# Allegro board HB1A-AAFM.brd (continued)
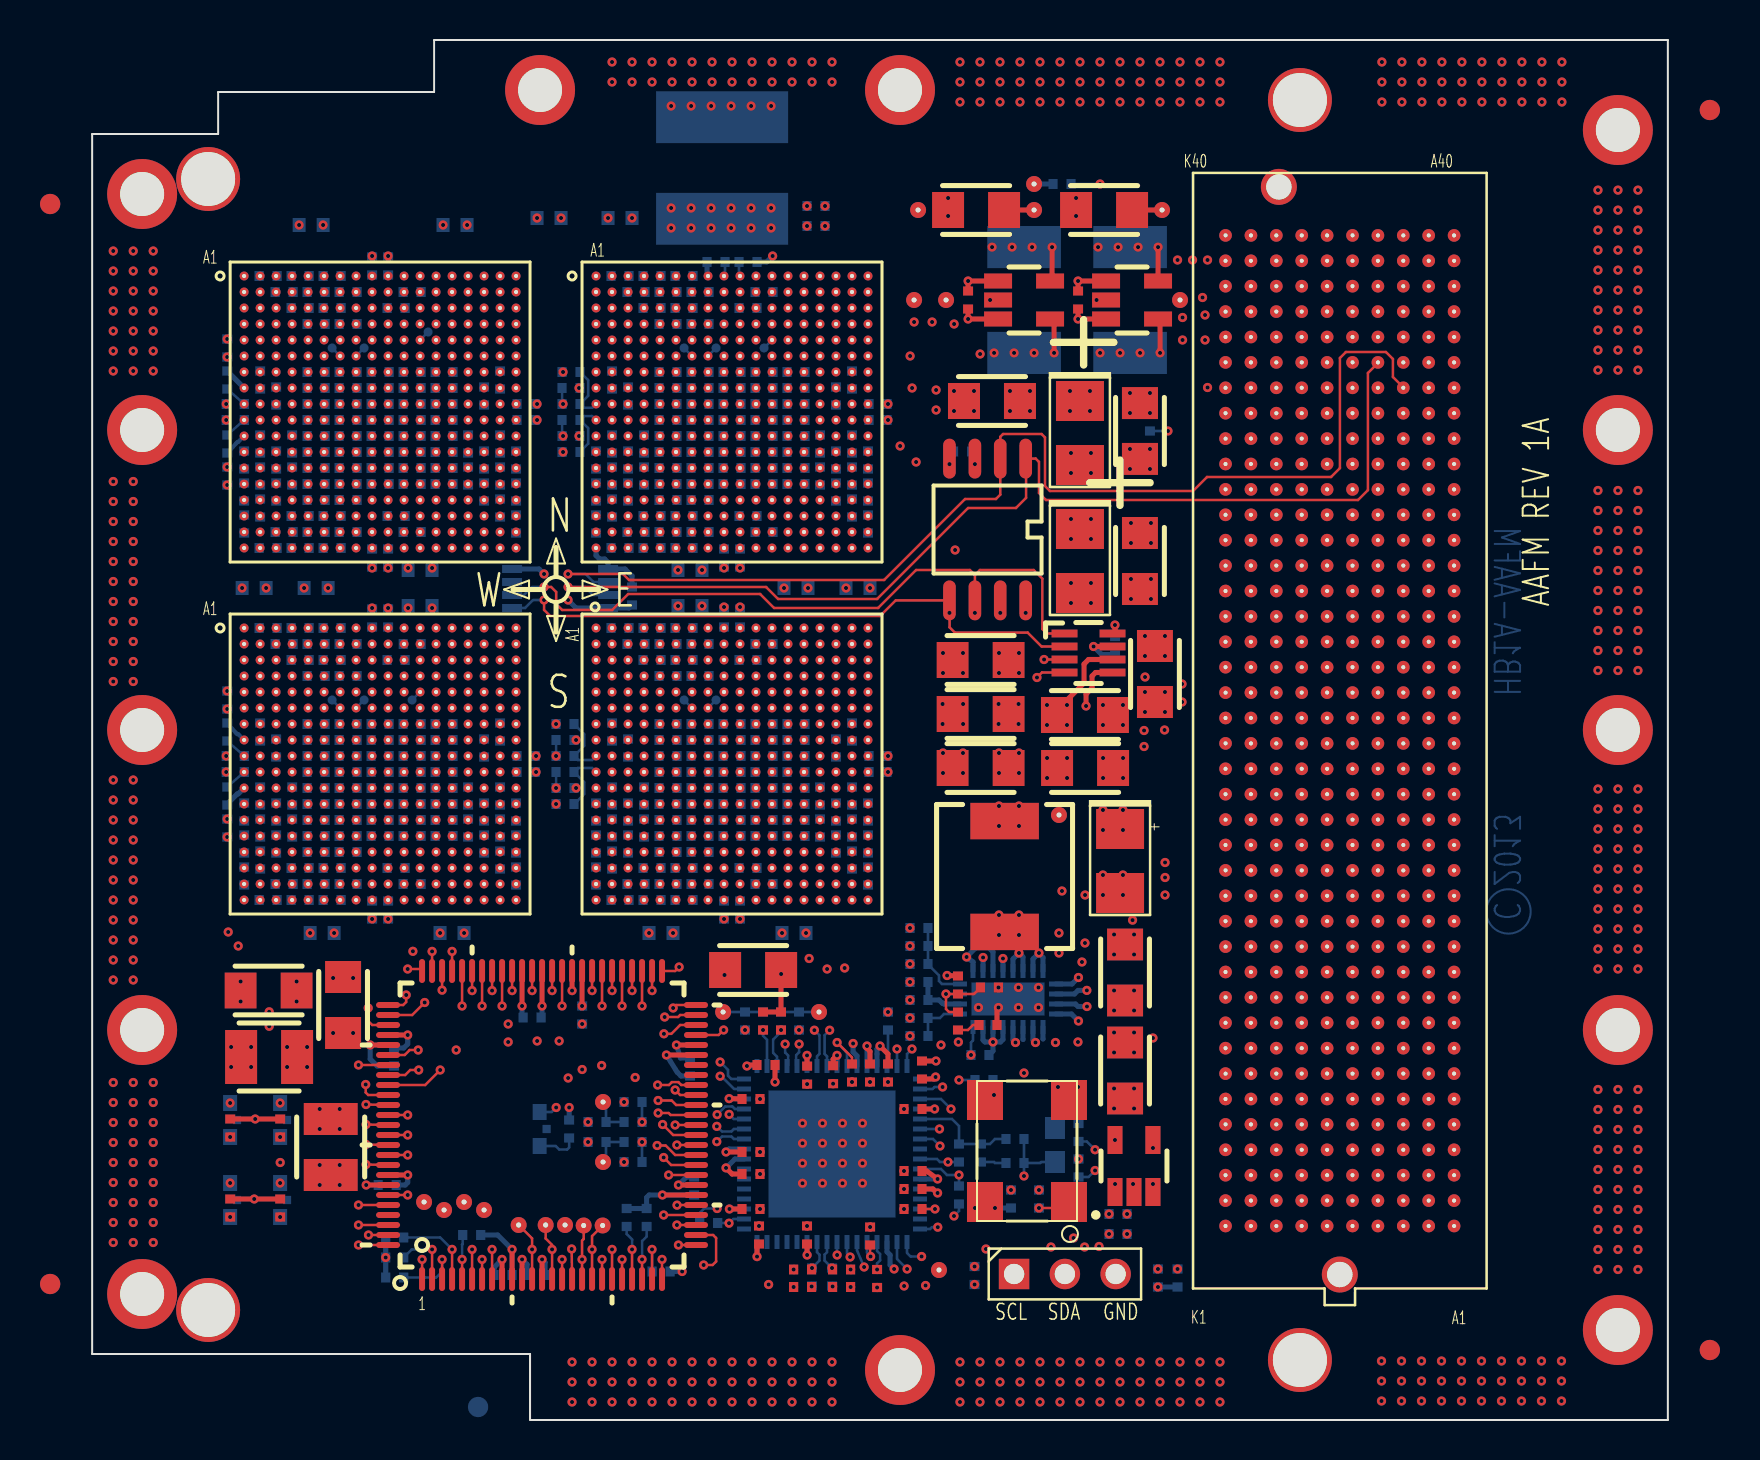
[diagram p0: board, top side]
## Routing (per net, layer and track width the routed paths; a pad name or vN(x,y) marks a point on that pad's centre or on a via; arc(x,y) is an arc through that point) (continued)
UR_SCLKI_XID1: length 61
  TOP w0.127: U9.66 v1(21,21.47)
  SIGNAL_L4-Y w0.114: v1(40.41,48.7) 40.41,47.1 41.11,46.4 41.11,26.9 39.5,25.3 39.3,25.1 37.5,25.1 36,23.6 35.1,23.6 34.3,22.8 30.68,22.8 29.88,22 26.78,22 26.48,21.7 26.48,21.27 26,20.8 26,20.48 25.78,20.25 21.3,20.25 21,20.55 v1(21,21.47)
  SIGNAL_L8-X w0.089: U4.E8 30.8,54 31.2,53.6 31.2,51.4 31.4,51.2 31.8,51.2 32,51 32,50.6 32.2,50.4 32.6,50.4 32.8,50.2 32.8,49.8 33,49.6 39.5,49.6 v1(40.41,48.7)
UR_SCLKO_YID1: length 72.5
  TOP w0.127: U9.70 v1(19,21.47)
  SIGNAL_L4-Y w0.114: v1(42,54.9) 41.7,54.6 41.7,49.4 41.91,49.2 41.91,47.2 42.17,46.93 42.17,39.83 42.94,39.06 42.94,32.1 43.22,31.81 43.22,31.4 42.62,30.8 42.62,26 41.7,25.08 41.7,22.6 41.41,22.3 40.6,22.3 39.3,21 31.23,21 30.98,20.75 30.98,19.73 29.03,17.77 28.5,17.77 27.63,18.65 24.2,18.65 23.7,18.15 19.85,18.15 19,19 v1(19,21.47)
  SIGNAL_L12-X w0.089: v1(42,54.9) 41.5,54.4 33.6,54.4 33.2,54 U4.E11
UR_SDI_XID2: length 62.2
  TOP w0.127: U9.67 v1(20.5,20.7)
  SIGNAL_L4-Y w0.114: v1(20.5,20.7) 21.5,19.7 23.66,19.7 23.95,19.4 26.83,19.4 28.98,21.55 30.35,21.55 30.66,21.86 38.66,21.86 39.5,22.7 39.5,24.9 39.7,25.1 41.39,26.78 41.39,46.51 40.8,47.1 40.8,49.49 40.83,49.51 40.83,51.42 v1(41,51.6)
  SIGNAL_L5-X w0.114: U4.F10 32.41,53.2 32.8,52.8 35.8,52.8 36,52.6 36,52.2 36.2,52 40.6,52 v1(41,51.6)
UR_SDO_YID2: length 73.3
  TOP w0.127: U9.71 v1(18.5,20.7)
  SIGNAL_L4-Y w0.114: v1(42.2,50.5) 42.39,50.31 42.39,39.94 43.16,39.18 43.16,32.19 43.48,31.86 43.48,31.29 42.88,30.69 42.88,25.89 42,25.01 42,22.1 41.35,21.45 40.16,21.45 38.6,19.9 34.2,19.9 34,19.7 34,19.2 33.81,19.01 30.81,19.01 29.23,17.43 28.35,17.43 27.38,18.4 24.35,18.4 23.83,17.88 19.5,17.88 18.5,18.88 v1(18.5,20.7)
  SIGNAL_L8-X w0.089: v1(42.2,50.5) 41.6,50.5 41.5,50.4 33.8,50.4 33.6,50.6 33.6,51 33.41,51.2 33,51.2 32.8,51.4 32.8,51.8 32.6,52 32.2,52 32,52.2 32,53.6 31.6,54 U4.E9
UR_TXI_EA_RD_WAIT_N: length 72.8
  SIGNAL_L15-X w0.114: P1.C15 64.91,28.14 64.91,51.99 64.66,52.25 56.25,52.25 55.66,52.85 51.24,52.85 51.12,52.73 51.12,49.82 51,49.7 50.76,49.7 50.64,49.82 50.64,52.73 50.52,52.85 48.3,52.85 48.18,52.73 48.18,49.57 48.06,49.45 47.82,49.45 47.7,49.57 47.7,52.73 47.58,52.85 45.32,52.85 45.2,52.73 45.2,49.55 45.08,49.42 44.84,49.42 44.72,49.55 44.72,52.73 44.6,52.85 42.43,52.85 41.59,52.02 40.16,52.02 40.04,51.9 40.04,51.42 39.92,51.3 39.68,51.3 39.56,51.42 39.56,51.9 39.44,52.02 38.38,52.02 U4.G17
UR_TXI_EA_RD_WAIT_P: length 72.8
  SIGNAL_L15-X w0.114: P1.C14 66.28,26.92 66.28,53.25 66.03,53.5 55.53,53.5 55.03,54 55.03,56.25 54.78,56.5 51.51,56.5 51.39,56.62 51.39,57.38 51.27,57.5 51.03,57.5 50.91,57.38 50.91,56.62 50.79,56.5 47.73,56.5 47.61,56.38 47.61,54.32 47.49,54.2 47.25,54.2 47.13,54.32 47.13,56.38 47.01,56.5 46.77,56.5 46.65,56.38 46.65,54.32 46.53,54.2 46.29,54.2 46.17,54.32 46.17,56.38 46.05,56.5 44.66,56.5 44.33,56.17 44.33,54.42 43.8,53.9 42.53,53.9 41.41,52.78 37.84,52.78 37.61,52.56 37.61,51.98 U4.H17
UR_TXI_EA_WR_WAIT_N: length 73.1
  SIGNAL_L12-X w0.089: U4.H16 37.2,51.58 37.61,51.17 39.15,51.17 39.25,51.27 40.6,51.27 40.85,51.02 44.6,51.02 44.91,50.73 44.91,48.83 45.55,48.17 46.18,48.17 46.35,48.35 46.35,49.28 46.27,49.37 45.62,49.37 45.53,49.46 45.53,49.64 45.62,49.73 46.27,49.73 46.35,49.82 46.35,50.85 46.53,51.02 47.28,51.02 47.43,50.88 47.43,49.83 47.34,49.74 46.89,49.74 46.8,49.65 46.8,49.47 46.89,49.38 47.34,49.38 47.43,49.3 47.43,48.35 47.6,48.17 48.23,48.17 48.35,48.3 48.35,50.83 48.55,51.02 49.25,51.02 49.41,50.88 49.41,48.95 49.55,48.8 50.28,48.8 50.41,48.92 50.41,49.44 50.49,49.53 52.32,49.53 52.41,49.62 52.41,49.8 52.32,49.89 50.49,49.89 50.41,49.98 50.41,50.73 50.6,50.92 53.55,50.92 53.64,51.01 53.64,51.89 53.73,51.98 53.91,51.98 53.99,51.89 53.99,51.01 54.08,50.92 55.25,50.92 56.43,49.75 63.28,49.75 63.66,49.38 63.66,30.88 63.41,30.62 59.82,30.62 P1.H17
UR_TXI_EA_WR_WAIT_P: length 72.9
  SIGNAL_L12-X w0.089: P1.H16 58.66,29.32 58.66,31.62 58.91,31.88 62.03,31.88 62.41,32.25 62.41,46.92 62.1,47.23 56.48,47.23 55.63,48.08 54.95,48.08 54.86,47.99 54.86,46.91 54.77,46.83 54.59,46.83 54.5,46.91 54.5,47.99 54.41,48.08 54.05,48.08 53.97,47.99 53.97,45.74 53.88,45.65 53.7,45.65 53.61,45.74 53.61,47.99 53.52,48.08 50.91,48.08 50.7,47.88 48.54,47.88 48.45,47.79 48.45,45.89 48.36,45.8 48.18,45.8 48.09,45.89 48.09,47.79 48,47.88 47.75,47.88 47.66,47.79 47.66,45.01 47.57,44.92 47.39,44.92 47.3,45.01 47.3,47.79 47.21,47.88 47.02,47.88 46.93,47.79 46.93,45.89 46.84,45.8 46.66,45.8 46.58,45.89 46.58,47.79 46.49,47.88 46.26,47.88 46.17,47.79 46.17,46.49 46.08,46.4 45.9,46.4 45.81,46.49 45.81,47.79 45.72,47.88 45.45,47.88 44.45,48.88 44.33,48.88 44.05,48.6 43.92,48.6 43.8,48.73 43.8,48.86 44.07,49.13 44.07,49.26 43.3,50.02 41.73,50.02 41.38,50.38 37.62,50.38 U4.J16
UR_TXO_EA_DATA_N_0: length 73
  SIGNAL_L8-X w0.089: U4.G15 36.8,52 43.25,52 43.58,51.67 43.58,47.6 43.8,47.38 47.98,47.38 48.48,46.88 49.4,46.88 49.49,46.79 49.49,46.36 49.58,46.27 49.76,46.27 49.85,46.36 49.85,46.79 49.94,46.88 50.11,46.88 50.2,46.79 50.2,46.36 50.29,46.27 50.47,46.27 50.56,46.36 50.56,46.79 50.65,46.88 50.83,46.88 50.92,46.79 50.92,46.36 51,46.27 51.18,46.27 51.27,46.36 51.27,46.79 51.36,46.88 53.73,46.88 55.91,49.05 55.91,49.35 56.18,49.62 67.16,49.62 67.3,49.48 67.3,25.88 67.05,25.62 64.03,25.62 63.78,25.38 63.78,20.38 P1.D9
UR_TXO_EA_DATA_N_1: length 72.9
  SIGNAL_L8-X w0.089: U4.F16 37.2,53.2 37.63,52.77 39.26,52.77 39.66,52.38 44.05,52.38 44.66,51.77 44.66,48.33 45.1,47.88 45.85,47.88 45.94,47.96 45.94,49.44 46.03,49.52 46.21,49.52 46.3,49.44 46.3,47.96 46.39,47.88 46.56,47.88 46.65,47.96 46.65,49.44 46.74,49.52 46.92,49.52 47.01,49.44 47.01,47.96 47.1,47.88 47.28,47.88 47.37,47.96 47.37,49.44 47.45,49.52 47.63,49.52 47.72,49.44 47.72,47.96 47.81,47.88 47.99,47.88 48.08,47.96 48.08,49.44 48.17,49.52 48.34,49.52 48.43,49.44 48.43,47.96 48.52,47.88 51.2,47.88 51.35,48.02 53.98,48.02 55.78,49.83 v1(55.78,51.62)
  SIGNAL_L14-Y w0.114: P1.H8 58.53,19.28 58.53,21.25 58.03,21.75 57.53,21.75 57.28,22 57.28,50.75 57.03,51 56.41,51 v1(55.78,51.62)
UR_TXO_EA_DATA_N_2: length 72.8
  SIGNAL_L7-Y w0.089: U4.E17 38.38,53.62 39.5,53.62 39.88,54 39.88,54.76 39.97,54.84 40.44,54.84 40.53,54.93 40.53,55.11 40.44,55.2 39.97,55.2 39.88,55.29 39.88,55.47 39.97,55.56 40.44,55.56 40.53,55.65 40.53,55.82 40.44,55.91 39.97,55.91 39.88,56 39.88,56.18 39.97,56.27 40.44,56.27 40.53,56.36 40.53,56.53 40.44,56.62 39.97,56.62 39.88,56.71 39.88,57.08 40.08,57.27 41.05,57.27 41.14,57.19 41.14,56.61 41.23,56.52 41.41,56.52 41.5,56.61 41.5,57.19 41.59,57.27 41.77,57.27 41.85,57.19 41.85,56.61 41.94,56.52 42.12,56.52 42.21,56.61 42.21,57.19 42.3,57.27 42.48,57.27 42.57,57.19 42.57,56.61 42.66,56.52 42.83,56.52 42.92,56.61 42.92,57.19 43.01,57.27 43.41,57.27 43.75,57.62 49.58,57.62 49.83,57.38 54.41,57.38 v1(55.03,58)
  SIGNAL_L14-Y w0.114: v1(55.03,58) 55.86,57.17 61.96,57.17 62.24,56.89 62.24,21.96 62.03,21.75 61.11,21.75 P1.G10
UR_TXO_EA_DATA_N_3: length 73.2
  SIGNAL_L5-X w0.114: U4.D18 39.8,54.8 40.25,55.25 40.25,56.45 40.55,56.75 43.38,56.75 43.73,56.4 45.64,56.4 45.76,56.28 45.76,54.05 45.88,53.92 46.12,53.92 46.24,54.05 46.24,56.28 46.36,56.4 46.6,56.4 46.72,56.28 46.72,54.05 46.84,53.92 47.08,53.92 47.2,54.05 47.2,56.28 47.32,56.4 47.56,56.4 47.68,56.28 47.68,54.05 47.8,53.92 48.04,53.92 48.16,54.05 48.16,56.28 48.28,56.4 50.05,56.4 50.17,56.52 50.17,57.48 50.29,57.6 50.53,57.6 50.65,57.48 50.65,56.52 50.77,56.4 51.01,56.4 51.13,56.52 51.13,57.48 51.25,57.6 51.49,57.6 51.61,57.48 51.61,56.52 51.73,56.4 52.7,56.4 52.95,56.15 52.95,54.59 53.16,54.39 55.27,54.39 v1(55.66,54)
  SIGNAL_L14-Y w0.114: v1(55.66,54) 56.03,53.62 58.53,53.62 58.74,53.41 58.74,22.88 P1.H11
UR_TXO_EA_DATA_N_4: length 72.9
  SIGNAL_L8-X w0.089: P1.D12 64.88,24.25 67.28,24.25 67.65,24.62 67.65,51.75 67.15,52.25 55.53,52.25 55.28,52 55.28,49.9 54.38,49 51.71,49 51.63,49.09 51.63,49.84 51.54,49.92 51.36,49.92 51.27,49.84 51.27,49.09 51.18,49 51,49 50.91,49.09 50.91,49.84 50.83,49.92 50.65,49.92 50.56,49.84 50.56,49.09 50.47,49 50.29,49 50.2,49.09 50.2,49.84 50.11,49.92 49.94,49.92 49.85,49.84 49.85,49.09 49.76,49 49.35,49 48.55,49.8 45.33,49.8 44.98,50.15 44.98,51.92 44.16,52.75 40.28,52.75 39.41,53.62 36.78,53.62 36.41,54 U4.E15
UR_TXO_EA_DATA_N_5: length 72.8
  SIGNAL_L5-X w0.114: P1.C11 65,22.97 65,54.41 64.67,54.73 53.78,54.73 53.41,55.11 53.41,57.77 52.98,58.2 51.89,58.2 51.77,58.08 51.77,57.99 51.65,57.88 51.41,57.88 51.29,57.99 51.29,58.08 51.17,58.2 48.6,58.2 48.48,58.08 48.48,56.95 48.36,56.83 48.12,56.83 48,56.95 48,58.08 47.88,58.2 47.64,58.2 47.52,58.08 47.52,56.95 47.4,56.83 47.16,56.83 47.04,56.95 47.04,58.08 46.92,58.2 45.78,58.2 45.66,58.08 45.66,57.07 45.54,56.95 45.3,56.95 45.18,57.07 45.18,58.08 45.06,58.2 44.3,58.2 43.2,57.1 40.18,57.1 39.83,56.75 39.83,55.62 39.42,55.22 37.61,55.22 U4.D16
UR_TXO_EA_DATA_N_6: length 73.1
  SIGNAL_L5-X w0.114: v1(54.53,55.12) 53.78,55.88 53.78,58.92 53.45,59.25 51.62,59.25 51.5,59.37 51.5,59.68 51.38,59.8 51.14,59.8 51.02,59.68 51.02,59.37 50.9,59.25 50.66,59.25 50.54,59.37 50.54,59.68 50.42,59.8 50.18,59.8 50.06,59.68 50.06,59.37 49.94,59.25 48.38,59.25 48.26,59.37 48.26,59.92 48.14,60.04 47.9,60.04 47.78,59.92 47.78,59.37 47.66,59.25 47.42,59.25 47.3,59.37 47.3,59.92 47.18,60.04 46.94,60.04 46.82,59.92 46.82,59.37 46.7,59.25 46.46,59.25 46.34,59.37 46.34,59.92 46.22,60.04 45.98,60.04 45.86,59.92 45.86,59.37 45.74,59.25 44.92,59.25 44.8,59.37 44.8,59.83 44.69,59.95 44.45,59.95 44.33,59.83 44.33,59.37 44.2,59.25 43.25,59.25 43.13,59.13 43.13,57.62 43.01,57.5 42.77,57.5 42.65,57.62 42.65,59.13 42.53,59.25 42.29,59.25 42.17,59.13 42.17,57.62 42.05,57.5 41.81,57.5 41.69,57.62 41.69,59.13 41.57,59.25 41.33,59.25 41.21,59.13 41.21,57.62 41.09,57.5 40.85,57.5 40.73,57.62 40.73,59.13 40.61,59.25 40.08,59.25 39.43,58.6 39.43,56.23 39.2,56 38.4,56 U4.C17
  SIGNAL_L14-Y w0.114: P1.H14 59.7,26.69 59.7,54.35 59.42,54.63 55.03,54.63 v1(54.53,55.12)
UR_TXO_EA_DATA_N_7: length 72.9
  SIGNAL_L12-X w0.089: v1(55.53,56.12) 55.53,56.85 55.41,56.98 55.41,59.3 54.98,59.73 48.23,59.73 48.14,59.81 48.14,60.61 48.05,60.7 47.87,60.7 47.78,60.61 47.78,59.81 47.7,59.73 46.24,59.73 46.16,59.81 46.16,61.21 46.07,61.3 45.89,61.3 45.8,61.21 45.8,59.81 45.71,59.73 45.53,59.73 45.44,59.81 45.44,61.21 45.35,61.3 45.18,61.3 45.09,61.21 45.09,59.81 45,59.73 44.82,59.73 44.73,59.81 44.73,61.21 44.64,61.3 44.46,61.3 44.38,61.21 44.38,59.81 44.29,59.73 44.11,59.73 44.02,59.81 44.02,61.21 43.93,61.3 43.75,61.3 43.66,61.21 43.66,59.81 43.57,59.73 40.3,59.73 39.77,59.19 39.77,56.61 39.55,56.4 U4.B18
  SIGNAL_L14-Y w0.114: v1(55.53,56.12) 55.76,55.9 60.69,55.9 60.97,55.62 60.97,25.42 P1.G13
UR_TXO_EA_DATA_P_0: length 73
  SIGNAL_L8-X w0.089: P1.D8 64.91,19.2 64.91,22.52 65.38,23 66.91,23 67.38,23.48 67.38,23.65 68,24.27 68.33,24.27 68.66,24.6 68.66,51.8 68.23,52.23 67.93,52.23 67.45,52.7 67.45,53.05 67.03,53.48 55.55,53.48 55.08,53.95 55.08,54.17 54.88,54.38 36.16,54.38 36.03,54.25 36.03,52 36.4,51.63 U4.H15
UR_TXO_EA_DATA_P_1: length 73
  SIGNAL_L12-X w0.089: P1.H7 59.9,18 64.78,18 65.03,18.25 65.03,50.5 64.66,50.88 55.95,50.88 54.45,52.38 43.39,52.38 43.3,52.47 43.3,53.34 43.21,53.42 43.03,53.42 42.94,53.34 42.94,52.47 42.85,52.38 42.67,52.38 42.58,52.47 42.58,53.34 42.5,53.42 42.32,53.42 42.23,53.34 42.23,52.47 42.14,52.38 41.96,52.38 41.87,52.47 41.87,53.34 41.78,53.42 41.61,53.42 41.52,53.34 41.52,52.47 41.43,52.38 39.76,52.38 39.41,52.03 37.57,52.03 U4.G16
UR_TXO_EA_DATA_P_2: length 72.8
  SIGNAL_L7-Y w0.089: v1(55.78,58) 54.78,57 50.16,57 49.66,56.5 49.05,56.5 48.23,57.33 46.97,57.33 46.88,57.24 46.88,56.51 46.79,56.42 46.61,56.42 46.52,56.51 46.52,57.24 46.44,57.33 46.26,57.33 46.17,57.24 46.17,56.51 46.08,56.42 45.9,56.42 45.81,56.51 45.81,57.24 45.72,57.33 45.55,57.33 45.46,57.24 45.46,56.51 45.37,56.42 45.19,56.42 45.1,56.51 45.1,57.24 45.01,57.33 44.66,57.33 44.3,56.98 44.3,54.77 43.93,54.4 40.8,54.4 39.17,52.77 38.43,52.77 U4.F17
  SIGNAL_L14-Y w0.114: P1.G9 61.13,20.5 62.16,20.5 62.53,20.88 62.53,57.25 62.3,57.48 56.3,57.48 v1(55.78,58)
UR_TXO_EA_DATA_P_3: length 72.8
  SIGNAL_L8-X w0.089: v1(54.53,54) 54.53,53.27 53.95,52.7 51.8,52.7 51.43,52.33 51.43,50.48 51.28,50.33 50.5,50.33 50.38,50.45 50.38,52.1 49.93,52.55 49.93,53.77 49.7,54 48.7,54 48.53,53.83 48.53,52.83 48.43,52.73 48.43,50.33 48.25,50.15 47.58,50.15 47.38,50.35 47.38,52.7 47.18,52.9 46.6,52.9 46.41,52.7 46.41,51.17 46.2,50.98 45.5,50.98 45.33,51.15 45.33,52.15 45.55,52.38 45.55,53.67 45.23,54 43.14,54 43.05,53.91 43.05,53.24 42.96,53.15 42.78,53.15 42.69,53.24 42.69,53.91 42.6,54 42.01,54 41.92,53.91 41.92,53.04 41.83,52.95 41.65,52.95 41.56,53.04 41.56,53.91 41.48,54 U4.E18
  SIGNAL_L14-Y w0.114: v1(54.53,54) 55.16,53.38 58.23,53.38 58.43,53.18 58.43,21.92 P1.H10
UR_TXO_EA_DATA_P_4: length 73
  SIGNAL_L5-X w0.114: U4.F15 36.81,52.78 43.07,52.78 43.6,52.25 43.6,50.25 43.89,49.96 44.77,49.96 44.89,50.08 44.89,51.45 45.01,51.58 45.25,51.58 45.37,51.45 45.37,50.08 45.49,49.96 47.41,49.96 47.53,50.08 47.53,51.43 47.65,51.55 47.89,51.55 48.01,51.43 48.01,50.08 48.13,49.96 53.14,49.96 53.33,50.15 55.03,50.15 55.35,50.48 55.35,52.02 55.58,52.25 63.41,52.25 63.78,51.88 63.78,26 63.41,25.62 62.7,25.62 62.53,25.45 62.53,20.8 62.85,20.48 63.38,20.48 63.8,20.9 63.8,21.91 P1.D11
UR_TXO_EA_DATA_P_5: length 73.1
  SIGNAL_L5-X w0.114: U4.E16 37.58,54.38 39.39,54.38 39.78,54 45.25,54 45.55,53.7 45.55,52.17 45.8,51.92 46.04,51.92 46.16,52.05 46.16,52.35 46.28,52.48 46.52,52.48 46.64,52.35 46.64,52.05 46.76,51.92 47,51.92 47.12,52.05 47.12,52.35 47.24,52.48 47.48,52.48 47.6,52.35 47.6,52.05 47.72,51.92 47.96,51.92 48.08,52.05 48.08,52.35 48.2,52.48 48.44,52.48 48.56,52.35 48.56,52.05 48.68,51.92 49.2,51.92 49.43,51.7 49.43,51.05 49.64,50.84 50.41,50.84 50.53,50.96 50.53,52.68 50.65,52.8 50.89,52.8 51.01,52.68 51.01,50.96 51.13,50.84 53.66,50.84 53.78,50.96 53.78,51.66 53.9,51.77 54.14,51.77 54.26,51.66 54.26,50.96 54.38,50.84 54.8,50.84 55.03,51.08 55.03,53.25 55.28,53.5 64.53,53.5 64.78,53.25 64.78,21.92 P1.C10
UR_TXO_EA_DATA_P_6: length 72.9
  SIGNAL_L8-X w0.089: U4.D17 38.37,55.17 38.37,58.81 38.85,59.3 39.34,59.3 39.43,59.39 39.43,60.59 39.52,60.67 39.69,60.67 39.78,60.59 39.78,59.39 39.87,59.3 40.05,59.3 40.14,59.39 40.14,60.59 40.23,60.67 40.41,60.67 40.49,60.59 40.49,59.39 40.58,59.3 40.97,59.3 41.06,59.39 41.06,59.91 41.15,60 41.33,60 41.42,59.91 41.42,59.39 41.51,59.3 41.69,59.3 41.77,59.39 41.77,59.91 41.86,60 42.04,60 42.13,59.91 42.13,59.39 42.22,59.3 43.36,59.3 43.45,59.39 43.45,60.71 43.54,60.8 43.72,60.8 43.8,60.71 43.8,59.39 43.89,59.3 44.07,59.3 44.16,59.39 44.16,60.71 44.25,60.8 44.43,60.8 44.52,60.71 44.52,59.39 44.61,59.3 53.48,59.3 53.75,59.02 53.75,55.67 53.91,55.52 55.39,55.52 v1(55.66,55.25)
  SIGNAL_L14-Y w0.114: P1.H13 60.01,25.73 60.01,54.52 59.66,54.88 56.03,54.88 v1(55.66,55.25)
UR_TXO_EA_DATA_P_7: length 73.1
  SIGNAL_L7-Y w0.089: v1(54.28,58) 49.74,58 49.66,58.09 49.66,58.86 49.57,58.95 49.39,58.95 49.3,58.86 49.3,58.09 49.21,58 49.03,58 48.94,58.09 48.94,58.86 48.85,58.95 48.68,58.95 48.59,58.86 48.59,58.09 48.5,58 45,58 44.1,58.9 43.44,58.9 43.35,58.81 43.35,57.71 43.26,57.62 43.09,57.62 43,57.71 43,58.81 42.91,58.9 42.73,58.9 42.64,58.81 42.64,57.71 42.55,57.62 42.37,57.62 42.28,57.71 42.28,58.81 42.2,58.9 42.02,58.9 41.93,58.81 41.93,57.71 41.84,57.62 41.66,57.62 41.57,57.71 41.57,58.81 41.48,58.9 41.31,58.9 41.22,58.81 41.22,57.71 41.13,57.62 40.95,57.62 40.86,57.71 40.86,58.81 40.77,58.9 40.59,58.9 40.5,58.81 40.5,58.55 40.42,58.46 39.89,58.46 39.8,58.37 39.8,58.19 39.89,58.1 40.42,58.1 40.5,58.01 40.5,57.71 40.42,57.62 39.75,57.62 39.55,57.42 39.55,55.85 39.3,55.6 U4.C18
  SIGNAL_L14-Y w0.114: v1(54.28,58) 55.53,56.75 55.78,56.75 56.32,56.21 60.82,56.21 60.91,56.12 61.28,55.75 61.28,24.46 P1.G12
UR_TXO_EA_FRAME_N: length 73.2
  SIGNAL_L8-X w0.089: P1.D15 64.94,28.12 64.94,44.49 65.23,44.77 65.84,44.77 66.34,45.27 66.34,48.19 66.16,48.38 55.78,48.38 53.08,45.67 48.95,45.67 48.86,45.76 48.86,46.46 48.77,46.55 48.59,46.55 48.5,46.46 48.5,45.76 48.41,45.67 46.83,45.67 46.74,45.76 46.74,46.99 46.65,47.08 46.47,47.08 46.38,46.99 46.38,45.76 46.3,45.67 46.12,45.67 46.03,45.76 46.03,46.99 45.94,47.08 45.76,47.08 45.67,46.99 45.67,45.76 45.58,45.67 45.41,45.67 45.32,45.76 45.32,46.99 45.23,47.08 45.05,47.08 44.96,46.99 44.96,45.76 44.87,45.67 44.69,45.67 44.6,45.76 44.6,46.99 44.52,47.08 44.34,47.08 44.25,46.99 44.25,45.76 44.16,45.67 43.98,45.67 43.89,45.76 43.89,46.99 43.8,47.08 43.62,47.08 43.54,46.99 43.54,45.76 43.45,45.67 42.95,45.67 42.2,46.42 42.2,49.27 42.68,49.75 42.68,50.75 42.45,50.98 40.55,50.98 40.3,51.23 36.83,51.23 U4.J15
UR_TXO_EA_FRAME_P: length 72.9
  SIGNAL_L12-X w0.089: U4.K15 36.77,49.62 42.58,49.62 43.35,48.85 43.35,45.65 43.7,45.31 43.82,45.31 45.05,46.53 45.17,46.53 45.3,46.41 45.3,46.28 44.08,45.05 44.08,44.93 44.2,44.8 44.33,44.8 45.55,46.03 45.68,46.03 45.8,45.9 45.8,45.77 44.58,44.55 44.58,44.42 44.71,44.3 44.83,44.3 46.06,45.52 46.18,45.52 46.31,45.4 46.31,45.27 45.08,44.05 45.08,43.92 45.7,43.3 46.35,43.3 46.44,43.39 46.44,44.39 46.53,44.48 46.7,44.48 46.79,44.39 46.79,43.39 46.88,43.3 47.06,43.3 47.15,43.39 47.15,44.39 47.24,44.48 47.42,44.48 47.51,44.39 47.51,43.39 47.59,43.3 47.77,43.3 47.86,43.39 47.86,44.39 47.95,44.48 48.13,44.48 48.22,44.39 48.22,43.39 48.31,43.3 54.48,43.3 55.75,44.58 60.88,44.58 61.16,44.3 61.16,33.5 60.78,33.12 58.78,33.12 58.41,32.76 58.41,27.36 59.03,26.74 63.77,26.74 P1.D14
UR_TXO_EA_LCLK_N: length 73
  SIGNAL_L12-X w0.089: P1.G7 60.95,17.78 65.81,17.78 66.16,18.12 66.16,52 65.91,52.25 55.6,52.25 53.8,54.05 53.8,55.5 52.8,56.5 42.3,56.5 42.03,56.23 42.03,55.75 42.55,55.23 42.55,54.62 41.85,53.92 40.25,53.92 39.53,53.2 U4.F18
UR_TXO_EA_LCLK_P: length 73
  SIGNAL_L5-X w0.114: U4.G18 41.98,52.4 42.68,51.7 42.68,50.08 42.98,49.77 43.66,49.77 43.83,49.6 44.27,49.6 44.39,49.48 44.39,49.09 44.51,48.98 44.75,48.98 44.87,49.09 44.87,49.48 44.99,49.6 45.59,49.6 45.71,49.48 45.71,49.42 45.83,49.3 46.07,49.3 46.19,49.42 46.19,49.48 46.31,49.6 46.55,49.6 46.67,49.48 46.67,49.42 46.79,49.3 47.03,49.3 47.15,49.42 47.15,49.48 47.27,49.6 53.3,49.6 53.58,49.88 55.66,49.88 55.78,49.75 63.28,49.75 63.53,49.5 63.53,33.45 63.35,33.27 62.58,33.27 62.28,32.98 62.28,19.52 62.58,19.23 65.88,19.23 66.16,18.95 66.16,18.18 65.91,17.93 60.05,17.93 59.83,17.7 59.83,16.7 60.14,16.39 60.15,16.39 P1.G6
UR_UL_WE_DATA_N_0: length 29.1
  SIGNAL_L15-X w0.114: U3.T18 21.72,44.68 21.72,43.99 22.63,43.08 23.76,43.08 24.62,43.94 24.62,44.52 24.9,44.8 25.4,44.8 25.6,45 25.6,45.4 25.8,45.6 26.2,45.6 26.4,45.8 26.4,46.2 26.6,46.4 27,46.4 27.2,46.6 27.2,47 27.4,47.2 27.8,47.2 28,47.4 28,47.8 28.2,48 28.6,48 28.8,48.2 28.8,48.6 29,48.8 29.4,48.8 29.6,49 29.6,49.4 29.8,49.6 30.2,49.6 30.4,49.8 30.4,50.2 30.6,50.4 31,50.4 31.2,50.6 31.2,51 31.4,51.2 31.8,51.2 32,51.4 32,53.4 31.8,53.6 31.4,53.6 31.2,53.4 31.2,51.4 31,51.2 30.6,51.2 30.4,51.4 30.4,52.6 30.2,52.8 29.8,52.8 29.6,52.6 29.6,52.1 29.5,52 29,52 28.8,51.8 28.8,51.4 28.6,51.2 28,51.2 U4.H4
UR_UL_WE_DATA_N_1: length 29.2
  SIGNAL_L12-X w0.089: U3.R17 20.8,45.8 21,45.6 21.65,45.6 21.86,45.39 21.86,44.17 22.82,43.2 23.45,43.2 24.58,44.33 24.58,44.78 24.8,45 24.8,45.4 25,45.6 25.4,45.6 25.6,45.8 25.6,46.2 25.8,46.4 26.2,46.4 26.4,46.6 26.4,47 26.2,47.2 25.8,47.2 25.6,47 25.6,46.6 25.4,46.4 24.95,46.4 24.8,46.55 24.8,48.55 25.07,48.81 29.41,48.81 29.6,49 29.6,49.4 29.4,49.6 25.02,49.6 24.8,49.83 24.8,51.05 24.95,51.2 26.2,51.2 26.4,51.4 26.4,51.8 26.6,52 U4.G3
UR_UL_WE_DATA_N_2: length 29.2
  SIGNAL_L12-X w0.089: U3.P16 20,47.2 21.5,47.2 22.3,46.4 22.3,44.35 22.67,43.98 22.67,43.98 22.9,43.75 23.31,43.75 24.14,44.58 24.14,47.25 23.15,48.24 23.15,48.65 23.3,48.8 23.8,48.8 23.96,48.96 23.96,51 22.48,52.48 22.48,56.08 22.75,56.35 23.1,56.35 23.3,56.55 23.65,56.55 23.81,56.39 23.81,55.94 23.93,55.82 24.23,55.82 24.35,55.7 24.35,55.46 24.23,55.34 23.93,55.34 23.81,55.22 23.81,54.98 23.93,54.86 24.23,54.86 24.35,54.74 24.35,54.5 24.23,54.38 23.93,54.38 23.81,54.26 23.81,54.04 25.05,52.8 25.6,52.8 U4.F2
UR_UL_WE_DATA_N_3: length 29.2
  SIGNAL_L12-X w0.089: U3.N15 19.2,48 20.6,48 20.8,48.2 20.8,48.6 21,48.8 21.45,48.8 21.65,48.6 21.65,48.11 22.96,46.8 22.96,45.44 23.1,45.3 23.35,45.3 23.48,45.43 23.48,46.9 22.35,48.03 22.35,49.45 22.64,49.74 22.64,51.16 21.6,52.2 21.6,52.55 21.82,52.77 21.82,57.69 22.22,58.09 24.54,58.09 24.98,57.65 25.41,57.65 25.6,57.47 25.6,54.4 U4.E1
UR_UL_WE_DATA_N_4: length 29.1
  SIGNAL_L12-X w0.089: U4.F4 27.2,52.8 26.6,52.8 26.4,52.6 26.4,52.2 26.2,52 24.95,52 24.81,52.13 24.81,52.72 23.59,53.95 23.59,55.85 23.34,56.1 22.9,56.1 22.7,55.9 22.7,55.61 22.82,55.49 23.08,55.49 23.2,55.37 23.2,55.13 23.08,55.01 22.82,55.01 22.7,54.89 22.7,54.67 22.82,54.55 23.13,54.55 23.25,54.43 23.25,54.1 23,53.85 23,53.55 23.95,52.6 23.95,51.35 24.58,50.72 24.58,49.62 24.75,49.45 24.75,48.95 24.6,48.8 24.15,48.8 23.95,48.6 23.95,47.9 24.36,47.49 24.36,44.46 23.37,43.47 22.87,43.47 22.08,44.26 22.08,46.23 21.51,46.8 U3.P18
UR_UL_WE_DATA_N_5: length 29.1
  SIGNAL_L12-X w0.089: U3.N17 20.8,47.8 21,48 21.4,48 22.74,46.66 22.74,44.54 23,44.28 23.22,44.28 23.7,44.76 23.7,47 22.57,48.13 22.57,49.36 22.86,49.65 22.86,51.25 22.04,52.07 22.04,57.6 22.31,57.87 24.45,57.87 24.81,57.5 24.81,53.78 25,53.6 26.2,53.6 26.4,53.8 U4.E3
UR_UL_WE_DATA_N_6: length 29.1
  SIGNAL_L15-X w0.114: U4.D2 26.4,55.2 26.4,57.5 26.55,57.65 26.85,57.65 26.95,57.75 26.95,58 26.85,58.1 26.5,58.1 26.4,58.2 26.4,58.8 26.01,59.19 25.21,59.19 24.96,59.44 19.95,59.44 19.53,59.02 19.53,58.73 18.4,57.6 18.4,53 18.6,52.8 19,52.8 19.2,52.6 19.2,52.2 19.4,52 19.8,52 20,51.8 20,51.4 19.8,51.2 17.8,51.2 17.6,51 17.6,48.2 17.8,48 19.2,48 U3.M16
UR_UL_WE_DATA_N_7: length 29.1
  SIGNAL_L15-X w0.114: U3.L15 19.2,49.6 21.4,49.6 21.59,49.78 21.59,52.62 21.4,52.8 21.01,52.8 20.8,53.01 20.8,53.4 21,53.6 21.38,53.6 21.59,53.8 21.59,54.22 21.4,54.4 21,54.4 20.8,54.6 20.8,55 21,55.2 21.38,55.2 21.59,55.4 21.59,55.81 21.4,56 21,56 20.8,56.2 20.8,56.6 21,56.8 21.38,56.8 21.59,57 21.59,57.4 21.4,57.59 20.37,57.59 20.2,57.75 20.2,58 20.35,58.15 22.15,58.15 22.25,58.25 22.25,58.45 22.15,58.55 20.35,58.55 20.21,58.69 20.21,58.86 20.35,59 24.6,59 24.9,58.7 24.9,58.4 25.35,57.95 25.35,57.75 25.2,57.6 24.95,57.6 24.8,57.45 24.8,56 U4.C1
UR_UL_WE_DATA_P_0: length 29.2
  SIGNAL_L15-X w0.114: U4.G4 28,52.6 28.2,52.8 28.6,52.8 28.8,53 28.8,53.4 29,53.6 31,53.6 31.2,53.8 31.2,55 31.4,55.2 31.8,55.2 32,55 32,53.8 32.2,53.6 32.6,53.6 32.8,53.4 32.8,51.4 32.6,51.2 32.2,51.2 32,51 32,50.6 31.8,50.4 31.4,50.4 31.2,50.2 31.2,49.8 31,49.6 30.6,49.6 30.4,49.4 30.4,49 30.2,48.8 29.8,48.8 29.6,48.6 29.6,48.2 29.4,48 29,48 28.8,47.8 28.8,47.4 28.6,47.2 28.2,47.2 28,47 28,46.6 27.8,46.4 27.4,46.4 27.2,46.2 27.2,45.8 27,45.6 26.6,45.6 26.4,45.4 26.4,45 26.2,44.8 25.8,44.8 25.6,44.6 25.6,44.2 25.4,44 25,44 24.5,43.5 24.5,43.2 24,42.7 22.4,42.7 21.7,43.4 21.7,43.7 21.5,43.9 21.5,44.1 U3.U18
UR_UL_WE_DATA_P_1: length 29.1
  SIGNAL_L15-X w0.114: U4.F3 26.4,52.8 26.4,48.2 26.6,48 27,48 27.2,48.2 27.2,48.6 27.4,48.8 27.8,48.8 28,49 28,49.4 28.2,49.6 28.6,49.6 28.8,49.8 28.8,51 29,51.2 30.2,51.2 30.4,51 30.4,50.6 30.2,50.4 29.8,50.4 29.6,50.2 29.6,49.8 29.4,49.6 29,49.6 28.8,49.4 28.8,49 28.6,48.8 28.2,48.8 28.02,48.62 28.02,48.22 27.8,48 27.4,48 27.2,47.8 27.2,47.4 27,47.2 26.6,47.2 26.4,47 26.4,46.6 26.2,46.4 25.8,46.4 25.6,46.2 25.6,45.8 25.4,45.6 24.6,45.6 24.4,45.4 24.4,44.03 23.67,43.3 22.72,43.3 21.94,44.08 21.94,45.06 21.4,45.6 20.8,45.6 U3.T17
UR_UL_WE_DATA_P_2: length 29.2
  SIGNAL_L15-X w0.114: U4.E2 25.6,53.8 25.4,53.6 24.96,53.6 24.8,53.44 24.8,53 24.6,52.8 24.1,52.8 23.94,52.64 23.94,52.24 23.71,52.01 23.39,52.01 23.16,52.24 23.16,53.04 23.92,53.8 23.92,56.38 23.7,56.6 23.24,56.6 23.04,56.4 23.04,53.3 22.84,53.1 22.84,51.66 23.14,51.36 23.14,48.16 23.93,47.37 23.93,44.19 23.49,43.74 22.91,43.74 22.39,44.26 22.39,45.91 21.9,46.4 20.2,46.4 20,46.2 U3.R16
UR_UL_WE_DATA_P_3: length 29.1
  SIGNAL_L15-X w0.114: U3.P15 19.2,46.4 19.8,46.4 20,46.6 20,47.76 20,47.8 20.2,48 21.4,48 21.7,47.7 21.7,47.31 22.83,46.18 22.83,44.44 23.09,44.18 23.27,44.18 23.49,44.41 23.49,46.31 22.7,47.1 22.7,48.6 22.2,49.1 22.2,49.3 22.7,49.8 22.7,51 22.4,51.3 22.4,52.83 22.1,53.13 22.1,53.37 22.22,53.49 22.48,53.49 22.6,53.61 22.6,57.4 22.9,57.7 24.1,57.7 24.36,57.44 24.36,54.74 24.46,54.63 24.63,54.63 24.8,54.8 U4.D1
UR_UL_WE_DATA_P_4: length 29.1